# Altium PCB VM3300_V0.1.PcbDoc (part 2 of 2)
Units mil, origin at the board's own origin, x right, y up, seen from the top; angles counter-clockwise.
Board outline 5128.14 x 5521.84 mil, 2 copper layers (Top Layer, Bottom Layer), stack 61.855 mil thick; 144 components, 95 nets, 446 pads, 255 vias.
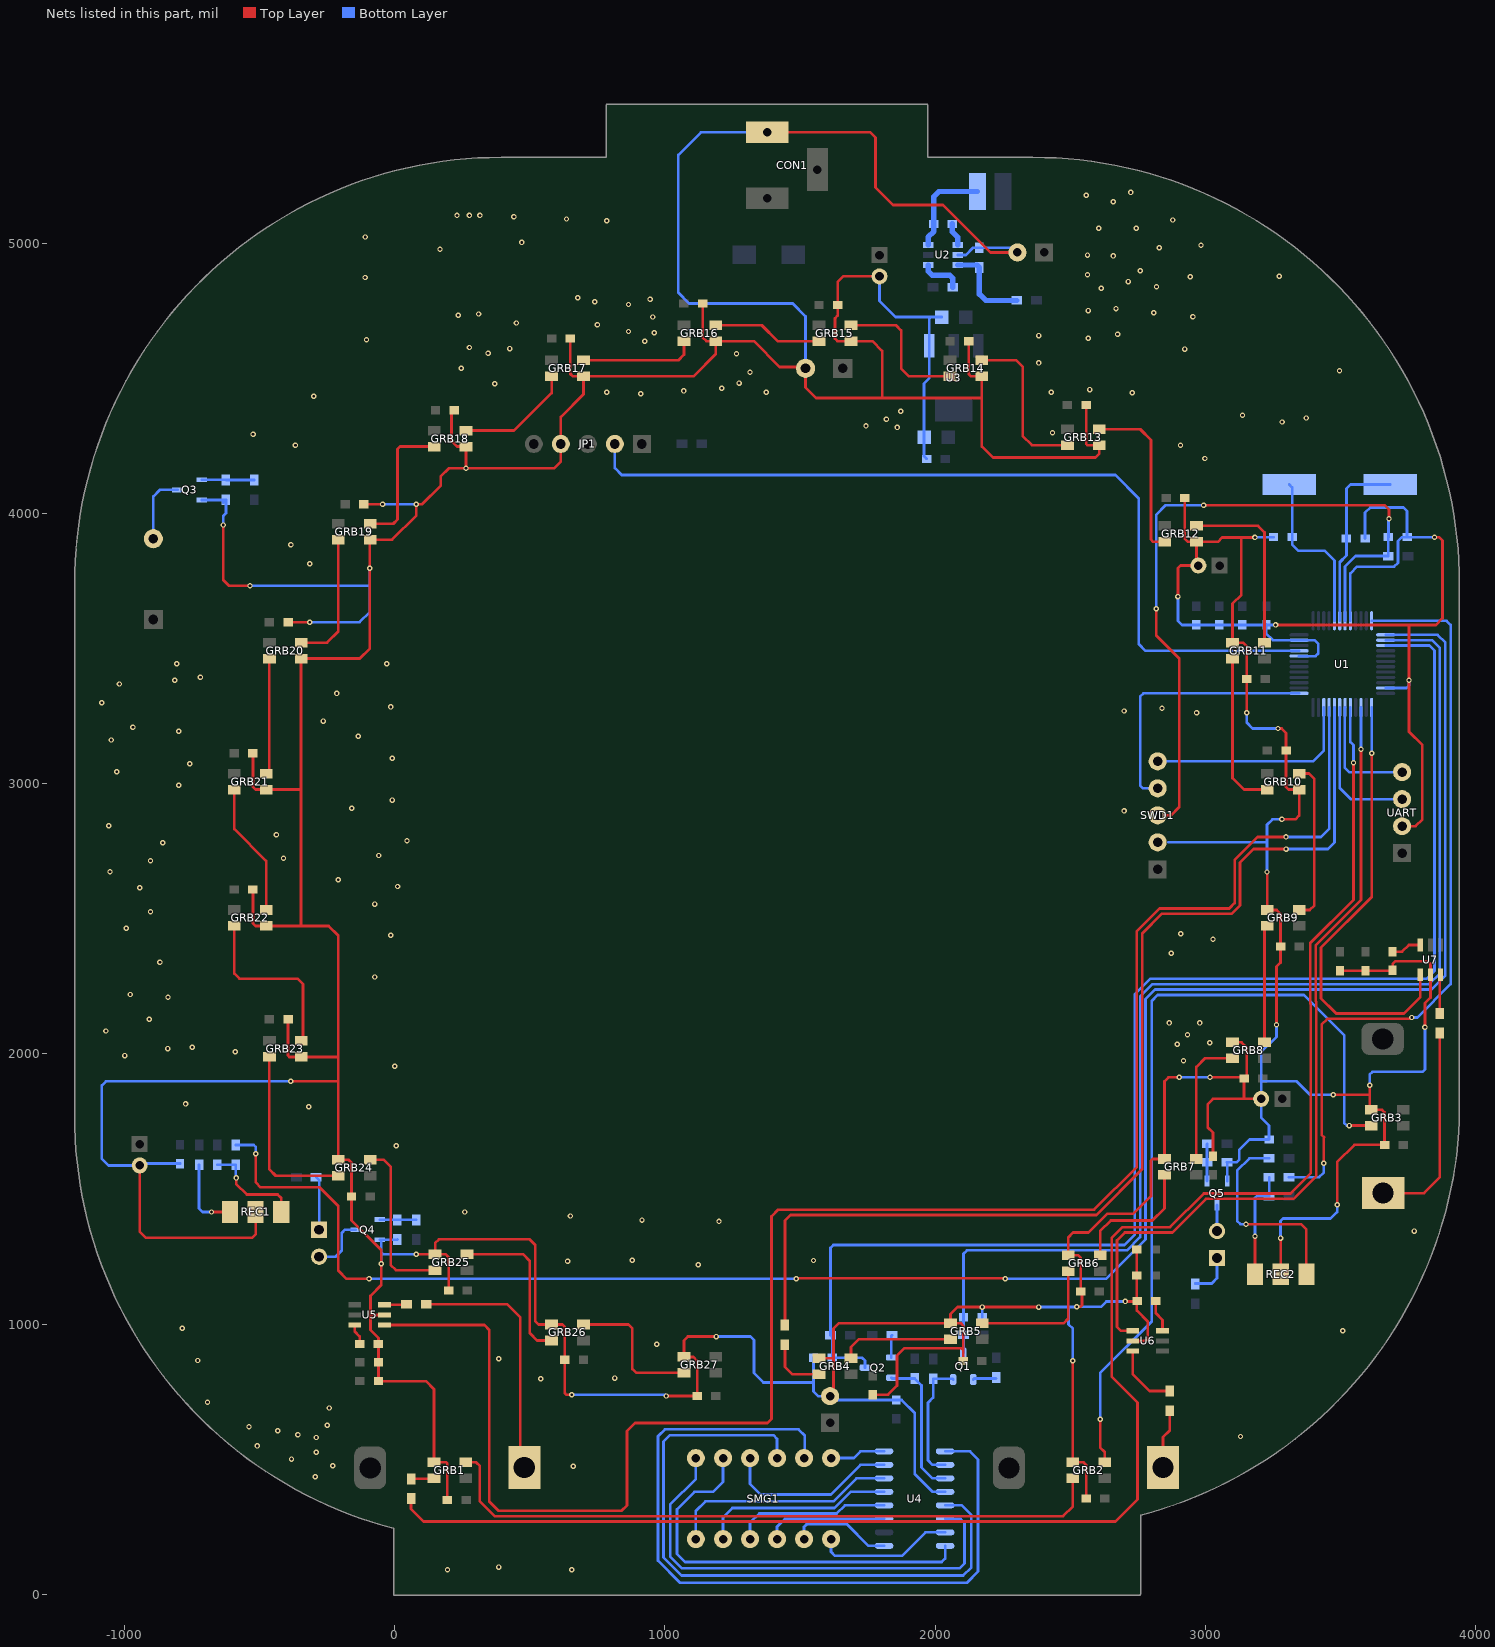
[diagram p2: the nets of this part, all layers, seen from the top]

## Via types
v1: diameter 20, hole 10, Top Layer to Bottom Layer, 175 vias
v2: diameter 20, hole 10, Top Layer to Bottom Layer, tented both sides, 58 vias
v3: diameter 50, hole 30, Top Layer to Bottom Layer, tented both sides, 12 vias
v4: diameter 50, hole 28, Top Layer to Bottom Layer, tented both sides, 10 vias

## Nets (pads, with @x,y where several pads share a name; then routed paths per layer and width w, separated by ;. In a path a pad name is that pad's centre, name@x,y a point inside that pad or via, vN(x,y) a via of type N, cw(c..) or ccw(c..) an arc to the next point about the centre after c; other vN are vias at no path point) (continued)
GND: C1.1 C2.1 C3.1 C5.1 C6.1 C7.1 C8.1 C9.1 C10.1 C11.1 C12.1 C13.1 C14.1 C15.1 C16.1 C17.1 C18.1 C19.1 C20.1 C21.1 C22.1 C23.1 C24.1 C25.1 C26.1 C27.1 C28.1 C30.1 C31.1 C32.1 C33.1 C34.1 C35.2 C36.2 C37.1 C38.1 C39.1 C40.1 C41.1 C42.1 C43.1 C44.1 C45.2 C46.2 C47.2 C48.1 C49.1 C50.1 C51.1 C52.1 C53.1 CON1.2 E1.2 E2.2 E3.2 E4.2 E5.2 E6.2 E7.2 GRB1.3 GRB2.3 GRB3.3 GRB4.3 GRB5.3 GRB6.3 GRB7.3 GRB8.3 GRB9.3 GRB10.3 GRB11.3 GRB12.3 GRB13.3 GRB14.3 GRB15.3 GRB16.3 GRB17.3 GRB18.3 GRB19.3 GRB20.3 GRB21.3 GRB22.3 GRB23.3 GRB24.3 GRB25.3 GRB26.3 GRB27.3 JP1.4 Q3.2 Q4.2 Q5.2 R4.1 R22.1 R23.1 R24.1 REC1.2 REC2.2 SWD1.2 U1.8 U1.23 U1.44 U1.47 U2.2 U3.1 U4.4 U5.2 U6.2 U7.2 UART.2 | length 37993
  Top Layer w10: E5.2@-945,1587.15 -945,1343 -921.22,1319.22 -528.5,1319.22 -515.56,1332.16 REC1.2@-515.56,1415 ; v2(-635.56,3958.7) -635.56,3754.65 -614.56,3733.65 v2(-536.31,3733.65) ; C39.1@-525.56,2608.65 -525.56,2483.65 -516.03,2474.12 GRB22.3@-476.51,2474.12 -347.45,2474.12 ; C38.1@-525.56,3113.65 -525.56,2989.12 -515.56,2979.12 GRB21.3@-476.51,2979.12 -347.45,2979.12 ; C40.1@-395.56,2128.65 -395.56,1994.12 -390.56,1989.12 GRB23.3@-346.51,1989.12 -209.62,1989.12 ; C37.1@-395.56,3598.65 v2(-315.2,3598.65) ; v2(-385.56,1898.65) -209.62,1898.65 ; -347.45,2473.18 -347.45,2474.12 ; C34.1@-115.56,4035.43 v2(-45.56,4035.45) ; U5.2@-38.03,1033.65 -90.56,1033.65 ; v2(79.44,1258.65) GRB25.3@148.97,1258.62 ; C1.1@194.44,348.65 194.44,483.65 189.91,488.18 GRB1.3@144.52,488.18 144.52,758.57 114.44,788.65 C48.1@-60.56,788.65 C49.1@-60.56,858.65 -60.56,948.65 -90.56,978.65 -90.56,1033.65 ; C42.1@199.44,1123.65 199.44,1247.01 187.83,1258.62 GRB25.3@148.97,1258.62 ; C33.1@219.44,4383.65 209.44,4373.65 209.44,4269.68 230,4249.12 GRB18.3@263.49,4249.12 v2(263.49,4168.65) ; C32.1@649.44,4648.65 649.44,4518.65 658.97,4509.12 GRB17.3@698.49,4509.12 ; v2(654.44,738.65) 634.44,738.65 629.44,743.65 C43.1@629.44,867.65 629.44,988.65 619.91,998.18 GRB26.3@580.38,998.18 531.92,998.18 519.44,1010.66 519.44,1293.65 499.44,1313.65 163.04,1313.65 148.97,1299.58 GRB25.3@148.97,1258.62 ; v2(1004.44,733.65) C44.1@1119.44,733.65 1119.44,863.65 1104.91,878.18 GRB27.3@1070.38,878.18 1070.44,878.23 1070.44,939.12 1084.97,953.65 v2(1189.44,953.65) ; C31.1@1139.44,4778.65 1139.44,4653.65 1153.97,4639.12 GRB16.3@1188.49,4639.12 ; CON1.2@1379.44,5412.74 1760.34,5412.74 1779.44,5393.65 1779.44,5208.65 1844.44,5143.65 2029.44,5143.65 2205.22,4967.86 E3.2@2305.22,4967.86 ; GRB4.3@1570.7,872.81 1623.59,872.81 1624.44,873.65 ; E4.2@1611.34,723.02 1624.44,736.11 1624.44,873.65 ; C10.1@1769.44,738.65 1826.24,738.65 1859.44,771.85 1859.44,883.65 1885.79,910 2098.08,910 2104.44,903.65 ; E1.2@1794.44,4879.28 1660.07,4879.28 1639.44,4858.65 C26.1@1639.44,4773.65 1639.44,4733.77 1629.44,4723.77 1629.44,4648.65 1638.97,4639.12 GRB15.3@1688.49,4639.12 1768.97,4639.12 1804.44,4603.65 1804.44,4428.65 ; C11.1@2104.44,863.65 2104.44,903.65 ; C25.1@2124.44,4639.12 2124.44,4518.65 2133.88,4509.2 GRB14.3@2173.49,4509.2 2173.49,4430.81 ; v2(2384.44,1062.76) v2(2174.44,1062.76) 2083.54,1062.76 2057.15,1036.36 GRB5.3@2057.15,1003.15 ; v2@2510.38,866.8 v2(2510.38,864.59) GRB2.3@2510.38,488.18 2549.91,488.18 2559.44,478.65 C2.1@2559.44,353.65 ; v2(2524.44,1063.65) 2539.44,1063.65 2544.44,1068.65 2544.44,1115.82 C12.1@2539.44,1120.82 2539.44,1245.75 2530.23,1254.95 GRB6.3@2493.28,1254.95 2493.28,1321.17 2510.76,1338.65 2568.08,1338.65 2638.08,1408.65 2734.44,1408.65 2799.44,1473.65 2799.44,1604.6 2805.89,1611.05 GRB7.3@2849.38,1611.05 2849.38,1898.59 2864.44,1913.65 v2(2904.44,1913.65) ; C24.1@2559.44,4402.25 2559.44,4259.13 2564.45,4254.12 GRB13.3@2608.49,4254.12 2608.49,4223.38 2593.76,4208.65 2214.44,4208.65 2173.49,4249.59 2173.49,4430.81 ; v2(2704.44,1083.79) 2745.56,1083.79 C46.2@2747.43,1085.66 ; U6.2@2732.32,937.34 2779.44,937.34 2787.43,945.34 2787.43,1010.34 2747.43,1050.34 C46.2@2747.43,1085.66 ; C51.1@2747.43,1275.34 C50.1@2747.43,1180.34 C46.2@2747.43,1085.66 ; C46.2@2748.43,1085.66 C46.2@2747.43,1085.66 ; v2(2899.44,3693.65) 2899.44,3798.65 2909.44,3808.65 E2.2@2975.07,3808.65 2968.49,3815.22 GRB12.3@2968.49,3896.3 ; C23.1@2924.44,4058.65 2924.44,3908.65 2936.78,3896.3 GRB12.3@2968.49,3896.3 ; v2(3018.34,1913.65) 3139.44,1913.65 C19.1@3144.44,1908.65 ; C13.1@3029.44,1620.98 3029.44,1708.65 3009.44,1728.65 3009.44,1813.65 3029.44,1833.65 3144.44,1833.65 ; GRB8.3@3101.72,2043.18 3134.91,2043.18 3154.44,2023.65 3154.44,1918.65 C19.1@3144.44,1908.65 ; v2(3154.44,3263.65) C22.1@3154.44,3388.65 3154.44,3508.65 3139.91,3523.18 GRB11.3@3101.72,3523.18 3101.72,3667.41 3134.44,3700.12 3134.44,3912.65 ; v2(3184.62,3912.65) 3134.44,3912.65 ; E6.2@3207.58,1833.65 3144.44,1833.65 ; v2(3229.44,2673.65) 3230.38,2672.7 GRB9.3@3230.38,2533.18 3264.91,2533.18 3279.44,2518.65 C20.1@3279.44,2398.65 3279.44,2338.18 3264.44,2323.18 v2(3264.44,2108.65) ; v2(3260.93,3588.65) 3755.08,3588.65 ; v2(3270,3205) 3283.55,3205 3299.91,3188.65 C21.1@3299.91,3123.65 3299.91,2988.18 3308.97,2979.12 GRB10.3@3348.49,2979.12 3348.49,2882.7 3334.44,2868.65 v2(3284.44,2868.65) ; v2(3279.44,1318.32) 3280,1317.76 REC2.2@3280,1185 ; v2(3474.44,1848.65) 3609.44,1848.65 ; v2(3489.17,1441.25) 3489.17,1599.51 3553.31,1663.65 C3.1@3664.44,1663.65 3664.44,1783.65 3654.91,1793.18 GRB3.3@3615.38,1793.18 3609.44,1799.12 3609.44,1848.65 ; C53.1@3499.44,2308.65 C52.1@3594.44,2308.65 3693.44,2308.65 C47.2@3694.44,2309.65 3694.44,2333.65 3704.44,2343.65 3824.44,2343.65 3834.44,2333.65 U7.2@3834.44,2293.53 3834.44,2208.65 3813.97,2188.18 v2(3813.97,2098.65) ; v2(3609.44,1883.65) 3609.44,1848.65 ; UART.2@3729.44,2843.65 3779.44,2843.65 3804.44,2868.65 3804.44,3143.65 3755.08,3193 v2(3755.08,3383.65) 3755.08,3588.65 ; v2(3849.44,3913.65) 3866.84,3913.65 3879.44,3901.05 3879.44,3613.65 3854.44,3588.65 3755.08,3588.65 ; -347.45,2474.12 -245.03,2474.12 -209.62,2438.7 -209.62,1989.12 ; -347.45,2474.12 -347.45,2979.12 ; -347.45,2979.12 -347.45,3463.17 GRB20.3@-346.51,3464.12 -130.09,3464.12 -92.72,3501.49 v2(-92.72,3798.65) -92.72,3902.91 GRB19.3@-91.51,3904.12 -10.09,3904.12 79.44,3993.65 v2(79.44,4035.45) 101.24,4035.45 169.44,4103.65 169.44,4138.65 199.44,4168.65 v2(263.49,4168.65) ; -209.62,1898.65 -209.62,1989.12 ; -209.62,1898.65 GRB24.3@-209.62,1608.18 -170.84,1608.18 -160.56,1597.9 C41.1@-160.56,1472.65 -160.56,1383.65 -50.56,1273.65 v2(-50.56,1223.65) -50.56,1144.55 -90.56,1104.55 -90.56,1033.65 ; v2(263.49,4168.65) 589.44,4168.65 614.44,4193.65 JP1.4@614.44,4258.65 614.44,4358.65 698.49,4442.7 GRB17.3@698.49,4509.12 ; GRB17.3@698.49,4509.12 1104.91,4509.12 1188.49,4592.7 GRB16.3@1188.49,4639.12 ; GRB16.3@1188.49,4639.12 1328.97,4639.12 1424.44,4543.65 1515.54,4543.65 E7.2@1520.54,4538.65 1520.54,4467.55 1559.44,4428.65 1804.44,4428.65 ; 1624.44,873.65 1624.44,983.18 1644.41,1003.15 GRB5.3@2057.15,1003.15 ; 1804.44,4428.65 2171.33,4428.65 2173.49,4430.81 ; GRB5.3@2057.15,1003.15 2095.31,1003.15 2104.44,994.02 2104.44,903.65 ; GRB12.3@2968.49,3896.3 3047.09,3896.3 3063.44,3912.65 3134.44,3912.65 ; 3144.44,1833.65 C19.1@3144.44,1908.65
  Bottom Layer w10: C35.2@-795,1594.28 -937.88,1594.28 E5.2@-945,1587.15 -1060.63,1587.15 -1085,1611.52 -1085,1883.65 -1070,1898.65 v2(-385.56,1898.65) ; Q3.2@-715.56,4051.25 R22.1@-626.46,4051.25 ; v2(-635.56,3958.7) -635.56,3992.59 -625.56,4002.59 R22.1@-625.56,4052.15 R22.1@-626.46,4051.25 ; R22.1@-635.56,4042.15 R22.1@-626.46,4051.25 ; v2(-536.31,3733.65) -92.72,3733.65 ; v2(-315.2,3598.65) -130.56,3598.65 -92.72,3636.49 -92.72,3733.65 ; v2(-92.72,3798.65) -92.72,3733.65 ; v2(-50.56,1223.65) -50.56,1265.23 ; v2(-45.56,4035.45) v2(79.44,4035.45) ; R23.1@9.44,1312.72 8.54,1311.82 Q4.2@-55.56,1311.82 -50.56,1306.82 -50.56,1265.23 ; v2(79.44,1258.65) -43.98,1258.65 -50.56,1265.23 ; v2(654.44,738.65) 999.44,738.65 v2(1004.44,733.65) ; v2(1189.44,953.65) 1316.99,953.65 1329.44,941.2 1329.44,818.65 1364.44,783.65 1548.66,783.65 1550,784.99 ; CON1.2@1379.44,5412.74 1132.74,5412.74 1049.44,5329.44 1049.44,4818.65 1089.44,4778.65 1473.15,4778.65 1520.54,4731.26 E7.2@1520.54,4538.65 ; C28.1@1550,875.15 1550,784.99 ; E1.2@1794.44,4879.28 1794.44,4788.65 1854.44,4728.65 1984.44,4728.65 ; C17.1@1969.44,4203.65 1959.44,4213.65 C16.1@1959.44,4283.65 1959.44,4482.67 1978.89,4502.12 U3.1@1978.89,4621.76 1978.89,4723.1 1984.44,4728.65 ; C15.1@2024.44,4728.65 1984.44,4728.65 ; U4.4@2037.53,378.65 1991.58,378.65 1925,445.22 1925,670 1876.35,718.65 C30.1@1856.34,718.65 1625.55,718.65 E4.2@1611.34,732.86 1567.14,732.86 1550,750 1550,784.99 ; U2.2@2084.56,4958.64 2114.43,4958.64 2140.94,4985.15 R4.1@2164.44,4985.15 2287.94,4985.15 E3.2@2305.22,4967.86 ; C27.1@2174.44,1025.02 v2(2174.44,1062.76) ; v2(2384.44,1062.76) 2494.44,1062.76 ; v2(2510.38,864.59) 2510.38,982.7 2494.44,998.65 2494.44,1062.76 ; v2(2704.44,1083.79) 2634.34,1083.79 2614.19,1063.65 v2(2524.44,1063.65) 2523.54,1062.76 2494.44,1062.76 ; 2864.44,2783.65 3229.44,2783.65 ; v2(2899.44,3693.65) 2899.44,3603.65 2914.44,3588.65 C8.1@2967.43,3588.65 C7.1@3052.43,3588.65 C6.1@3137.43,3588.65 3224.91,3588.65 3226.17,3589.91 3226.17,3556.91 3250.85,3532.23 U1.47@3348.08,3532.23 3405.62,3532.23 3419.44,3518.41 3419.44,3483.65 3408.96,3473.18 U1.44@3348.08,3473.18 ; v2(2904.44,1913.65) v2(3018.34,1913.65) ; Q5.2@3081.84,1529.79 3081.84,1597.75 R24.1@3080.94,1598.65 3115.54,1598.65 3126.94,1610.04 3126.94,1645.79 3164.79,1683.65 C36.2@3236.87,1683.65 3236.87,1735.26 3207.58,1764.55 E6.2@3207.58,1833.65 3207.58,1898.65 ; v2(3154.44,3263.65) 3154.44,3226.35 3175.79,3205 v2(3270,3205) ; v2(3184.62,3912.65) 3185.62,3913.65 C14.1@3253.36,3913.65 ; C5.1@3227.43,3588.65 v2(3260.93,3588.65) ; v2(3229.44,2673.65) 3229.44,2783.65 ; v2(3264.44,2108.65) 3264.44,2063.41 3207.58,2006.55 3207.58,1898.65 ; v2(3279.44,1318.32) 3279.44,1381.48 3288.64,1390.68 3464.65,1390.68 3489.17,1415.2 v2(3489.17,1441.25) ; v2(3284.44,2868.65) 3249.44,2868.65 3229.44,2848.65 3229.44,2783.65 ; v2(3474.44,1848.65) 3389.44,1848.65 3339.44,1898.65 3207.58,1898.65 ; U1.8@3537.96,3604 3537.96,3779.17 3563.07,3804.28 3700.07,3804.28 3714.44,3818.65 3714.44,3898.65 3729.44,3913.65 C9.1@3747.94,3913.65 ; C18.1@3592.44,3908.65 3592.44,4004.39 3611.7,4023.65 3734.44,4023.65 3747.94,4010.15 C9.1@3747.94,3913.65 ; v2(3609.44,1883.65) 3609.44,1923.65 3619.44,1933.65 3804.44,1933.65 3813.97,1943.18 v2(3813.97,2098.65) ; U1.23@3668.78,3355.07 3746,3355.07 3755.08,3364.14 v2(3755.08,3383.65) ; v2(3849.44,3913.65) C9.1@3747.94,3913.65
  other v1: 195,90 655,90 385,100 -295,435 660,473.65 -230,475 -382.96,500 -291.6,525 -510,548.65 -291.6,580 3131.05,583.65 -359,590 -434.18,605 -540,620 -250,625 -243.32,688.98 -693.64,710 540,797.15 814.44,799.97 -730,865 385,871.65 970,925 3510,975 -787.4,984.25 1122.94,1219.09 639.43,1232.21 879.44,1236.05 1550,1235.42 3774.36,1344.22 1200,1380 915,1385 650,1400 258.65,1415 5,1660 -318.56,1805 -775,1815 0,1955 2920,1975 -1000,1994.12 -590.64,2008.65 -841.54,2020 -750,2025 2897.43,2035.77 3016.88,2041.61 2935,2071.13 -1070,2085 2867.48,2115 2980,2115 -910,2128.65 -840,2210 -980,2220 -75,2285 -870,2340 2875,2372.65 3029.42,2425 -15.56,2440 2910,2445 -995,2465 -905,2526.76 -75,2555 -945,2615 10,2620 -210,2645 -1055,2675 -905,2715 -412.56,2725 -60,2735 -860,2781.65 45,2790 -438.56,2811.65 -1060,2845 2700,2900 -160,2910 -10,2940 -800,2994.65 -1030,3045 -759.56,3075 -10,3095 -1050,3162.65 -135.56,3176.65 -800,3195 -970,3210 -265,3232.65 2968.49,3263.65 2700,3270 2840.55,3280 -15,3285 -1085,3300 -215,3335 -1020,3370 -814.56,3383.65 -720,3395 -807.56,3445 -30,3445 -315,3815 -385,3885 2999.44,4205 -368.16,4254.12 2909.12,4253.65 -525,4294.4 2435,4300 1860,4320 1744.44,4325.46 3285,4340 1820,4350 3375,4355 3138.43,4365 1873.18,4380 -300,4435 910,4445 2730,4448.53 785,4450 1375,4450 2430,4450 1070,4455 2573.46,4460 1210,4465 370,4481.17 1274.44,4484.1 1315,4523.73 3497.79,4530 245.66,4538.65 2384.44,4558.77 1265,4592.7 345,4595 2925,4610 425,4611.86 276.02,4615.89 925,4638.65 -105,4645 2567.19,4650 2384.44,4660 2676.01,4664.47 960,4670 865,4675 750,4700.62 450,4706.52 955,4728.65 2955,4730 235,4735 310,4740 2810,4745 2567.19,4752.66 2670,4760 865,4775 740,4785 945,4795 676.84,4800 2615,4835 2820,4840.86 2715,4860 -110.33,4875 2945,4877.36 3275,4879.28 2564.45,4885.31 2760,4900 2660,4955 2564.45,4958.02 167.04,4980 2830,4985 2985,4995 470,5005 -110,5025 2606.4,5057.65 2745,5057.65 785,5085 2880,5087.86 635.44,5091.8 440.82,5100 230,5105 276.02,5105 315,5105 2660,5155 2560,5180 2725,5190
GRID1: SMG1.12 U4.6 | length 1747.8
  Bottom Layer w10: SMG1.12@1114.44,503.65 1114.44,426.9 1019.44,331.9 1019.44,138.65 1062.53,95.55 2091.34,95.55 2109.44,113.65 2109.44,263.65 2094.44,278.65 U4.6@2037.53,278.65
GRID2: SMG1.9 U4.5 | length 2423.4
  Bottom Layer w10: SMG1.9@1415.22,503.65 1415.22,574.78 1401.35,588.65 1018.31,588.65 994.44,564.78 994.44,135.36 1061.15,68.65 2104.44,68.65 2134.44,98.65 2134.44,293.65 2099.44,328.65 U4.5@2037.53,328.65
GRID3: SMG1.8 U4.1 | length 2894.1
  Bottom Layer w10: SMG1.8@1515.22,503.65 1517.74,506.17 1517.74,587.26 1495,610 1000,610 974.44,584.44 974.44,123.65 1056.01,42.08 2117.87,42.08 2159.44,83.65 2159.44,498.65 2129.44,528.65 U4.1@2037.53,528.65
GRID4: SMG1.6 U4.7 | length 511.4
  Bottom Layer w10: SMG1.6@1615.22,203.65 1615.22,156.85 1630.33,141.74 1877.53,141.74 1964.44,228.65 U4.7@2037.53,228.65
IR1: R15.2 U1.13 | length 7355.1
  Top Layer w10: v2(-515,1630) -515,1524.44 -496.93,1506.36 -278.28,1506.36 -209.62,1437.7 -209.62,1197.7 -179.12,1167.2 v2(-95.56,1167.2) ; v2(1485.88,1167.2) 1488.67,1170 2257.2,1170 v2(2260,1167.2)
  Bottom Layer w10: R15.2@-588.71,1663.02 -523.02,1663.02 -515,1655 v2(-515,1630) ; v2(-95.56,1167.2) v2(1485.88,1167.2) ; v2(2260,1167.2) 2632.85,1167.2 2779.44,1313.79 2779.44,2203.79 2814.29,2238.65 3837.72,2238.65 3889.44,2290.36 3889.44,3488.65 3889.44,3523.65 3861.17,3551.92 U1.13@3668.78,3551.92
IR2: R16.2 U1.12 | length 2856.8
  Top Layer w10: v2(3438.98,1595) 3438.98,1690.74 3440,1691.77 3431.77,1700 3431.77,2108.52 3453.24,2130 3760,2130 v2(3765,2135)
  Bottom Layer w10: R16.2@3310.23,1543.65 3422.62,1543.65 3438.98,1560 v2(3438.98,1595) ; U1.12@3616.7,3604 3617.05,3603.65 3894.44,3603.65 3909.44,3588.65 3909.44,2258.65 3785.79,2135 v2(3765,2135)
NetB1_2: B1.2 Q3.3 | length 256.3
  Bottom Layer w10: B1.2@-894.24,3907.83 -894.24,4064.97 -870.56,4088.65 Q3.3@-804.85,4088.65
NetC4_1: C4.1 U2.1 | length 85.9
  Bottom Layer w20: C4.1@2064.44,5073.65 2064.44,5043.77 2084.56,5023.65 U2.1@2084.56,4996.04
NetC4_2: C4.2 L1.1 U2.6 | length 357
  Bottom Layer w20: U2.6@1974.31,4996.04 1974.31,5025 1995.44,5046.12 C4.2@1995.44,5073.65 1995.44,5174.65 2014.44,5193.65 L1.1@2157.19,5193.65
NetC45_1: C45.1 U5.6 | length 78.1
  Top Layer w10: U5.6@-148.27,996.25 -148.27,971.35 -130.56,953.65 C45.1@-130.56,925.5
NetC46_1: C46.1 U6.6 | length 121.3
  Top Layer w10: C46.1@2817.43,1085.66 2817.43,1040.34 2842.55,1015.22 U6.6@2842.55,974.74
NetC47_1: C47.1 U7.6 | length 113
  Top Layer w10: C47.1@3694.44,2378.65 3729.44,2378.65 3754.55,2403.77 U7.6@3797.03,2403.77
NetD1_1: D1.1 R13.2 | length 199
  Bottom Layer w10: R13.2@-291.6,1543.65 -280.56,1532.61 D1.1@-280.56,1349.22
NetD1_2: D1.2 Q4.3 | length 215.4
  Bottom Layer w10: D1.2@-280.56,1249.22 -219.61,1249.22 -196.71,1272.13 -196.71,1337.52 -185,1349.22 Q4.3@-144.85,1349.22
NetD2_1: D2.1 R14.2 | length 163.4
  Bottom Layer w10: R14.2@2963.52,1150.15 3024.65,1150.15 3044.44,1169.93 D2.1@3044.44,1244.22
NetD2_2: D2.2 Q5.3 | length 96.3
  Bottom Layer w10: D2.2@3044.44,1344.22 Q5.3@3044.44,1440.5
NetGRB1_4: GRB1.4 R28.1 | length 85.5
  Top Layer w10: R28.1@60,426.67 142.07,426.67 GRB1.4@144.52,429.12
NetGRB4_4: GRB4.4 R29.1 | length 219.9
  Top Layer w10: R29.1@1444.44,923.5 1444.44,841.34 1472.03,813.75 GRB4.4@1570.7,813.75
NetQ1_1: Q1.1 R5.1 | length 85.6
  Bottom Layer w10: Q1.1@2141.84,794.59 2145.62,798.38 R5.1@2225.91,798.38
NetQ2_1: Q2.1 R6.1 | length 83.6
  Bottom Layer w10: Q2.1@1838.49,876.05 1838.49,956.2 R6.1@1840.94,958.65
NetQ3_1: Q3.1 R19.2 R22.2 | length 195.4
  Bottom Layer w10: Q3.1@-715.56,4126.05 -626.46,4126.05 R22.2@-625.56,4125.15 R19.2@-520.56,4125.15
NetQ4_1: Q4.1 R20.2 R23.2 | length 135.4
  Bottom Layer w10: Q4.1@-55.56,1386.62 -54.66,1385.72 R23.2@9.44,1385.72 R20.2@79.44,1385.72
NetQ5_1: Q5.1 R21.2 R24.2 | length 137.4
  Bottom Layer w10: Q5.1@3007.04,1529.79 3007.04,1665.88 R21.2@3007.94,1666.78
NetR2_1: R2.1 R4.2 U2.3 | length 330.4
  Bottom Layer w20: U2.3@2084.56,4921.25 2155.34,4921.25 R4.2@2164.44,4912.15 2164.44,4813.65 2188.07,4790.01 R2.1@2302.94,4790.01
NetR3_2: R3.2 U2.4 | length 158.6
  Bottom Layer w20: U2.4@1974.31,4921.25 1974.31,4898.77 1989.44,4883.65 2054.44,4883.65 2065.94,4872.15 R3.2@2065.94,4838.65
NetR11_1: R11.1 R15.1 REC1.1 | length 380.2
  Top Layer w10: v2(-587.69,1540.98) -587.69,1518.76 -548.36,1479.44 -434.18,1479.44 -420.56,1465.82 REC1.1@-420.56,1415
  Bottom Layer w10: R11.1@-657.38,1590.02 R15.1@-588.71,1590.02 -588.71,1542 v2(-587.69,1540.98)
NetR12_1: R12.1 R16.1 REC2.1 | length 407
  Top Layer w10: REC2.1@3185,1185 v2(3185,1325)
  Bottom Layer w10: v2(3185,1325) 3185,1467.08 3191.56,1473.65 R12.1@3237.23,1473.65 R16.1@3237.23,1543.65
NetR17_1: R17.1 REC1.3 | length 281.9
  Top Layer w10: v2(-678.93,1415) REC1.3@-610.56,1415
  Bottom Layer w10: R17.1@-725,1590.02 -725,1427.88 -712.12,1415 v2(-678.93,1415)
NetR18_1: R18.1 REC2.3 | length 758.2
  Top Layer w10: v2(3151.38,1370) 3354.44,1370 3375,1349.44 REC2.3@3375,1185
  Bottom Layer w10: v2(3151.38,1370) 3130.62,1370 3118.57,1382.05 3118.57,1568.54 3163.67,1613.63 R18.1@3237.23,1613.63
NetR25_1: R25.1 T1.1 | length 930.3
  Top Layer w10: R25.1@115.94,1073.65 414.44,1073.65 464.44,1023.65 464.44,483.74 T1.1@479.44,468.74
NetR25_2: R25.2 U5.3 | length 82
  Top Layer w10: U5.3@-38.03,1071.05 40.34,1071.05 R25.2@42.94,1073.65
NetR26_1: R26.1 T2.1 | length 220.5
  Top Layer w10: T2.1@2844.44,468.74 2844.44,581.69 2869.44,606.69 R26.1@2869.44,678.85
NetR26_2: R26.2 U6.3 | length 249
  Top Layer w10: U6.3@2732.32,899.94 2732.32,813.69 2794.15,751.85 R26.2@2869.44,751.85
NetR27_1: R27.1 T3.1 | length 768.3
  Top Layer w10: T3.1@3658.99,1484.79 3810.58,1484.79 3869.44,1543.65 R27.1@3869.44,2077.15
NetR27_2: R27.2 U7.3 | length 144.4
  Top Layer w10: R27.2@3869.44,2150.15 3869.44,2291.13 U7.3@3871.84,2293.53
NRST: C9.2 R1.1 SWD1.3 U1.7 | length 2644.8
  Top Layer w10: v2(2819.44,3648.65) 2819.44,3548.65 2904.44,3463.65 2904.44,2913.65 2874.44,2883.65 SWD1.3@2824.44,2883.65 ; v2(2994.44,4032.06) 3664.65,4032.06 3681.1,4015.62 v2(3681.1,3981.99)
  Bottom Layer w10: v2(2819.44,3648.65) 2819.44,3997.06 2854.44,4032.06 v2(2994.44,4032.06) ; U1.7@3518.27,3604 3518.27,3804.28 3557.64,3843.65 R1.1@3677.94,3843.65 3677.94,3912.65 C9.2@3678.94,3913.65 3678.94,3981.99 v2(3681.1,3981.99)
O1: GRB1.2 GRB2.4 | length 2526
  Top Layer w10: GRB1.2@262.63,488.18 299.91,488.18 314.44,473.65 314.44,343.65 369.44,288.65 2474.44,288.65 2510.38,324.59 GRB2.4@2510.38,429.12
O2: GRB2.2 GRB3.4 | length 3007.3
  Top Layer w10: v2(2611.72,647.78) 2611.72,543.61 2628.49,526.84 GRB2.2@2628.49,488.18 ; v2(3533.65,1734.9) 3614.59,1734.9 GRB3.4@3615.38,1734.12
  Bottom Layer w10: v2(2611.72,647.78) 2611.72,818.66 2802.43,1009.37 2802.43,2196.64 2824.44,2218.65 3365.9,2218.65 3515,2069.54 3515,1745 3525.1,1734.9 v2(3533.65,1734.9)
O3: GRB4.2 GRB5.4 | length 422.5
  Top Layer w10: GRB4.2@1688.81,872.81 1688.81,914.87 1718.03,944.09 GRB5.4@2057.15,944.09
O4: GRB5.2 GRB6.4 | length 501.2
  Top Layer w10: GRB5.2@2175.26,1003.15 2476.92,1003.15 2493.28,1019.5 GRB6.4@2493.28,1195.89
O5: GRB6.2 GRB7.4 | length 485.4
  Top Layer w10: GRB6.2@2611.39,1254.95 2611.39,1343.93 2651.11,1383.65 2804.44,1383.65 2849.38,1428.59 GRB7.4@2849.38,1551.99
O6: GRB7.2 GRB8.4 | length 488.3
  Top Layer w10: GRB7.2@2967.49,1611.05 2967.49,1951.7 2999.91,1984.12 GRB8.4@3101.72,1984.12
O7: GRB8.2 GRB9.4 | length 435.3
  Top Layer w10: GRB8.2@3219.83,2043.18 3219.83,2463.57 GRB9.4@3230.38,2474.12
O8: GRB9.2 GRB10.4 | length 595.4
  Top Layer w10: GRB9.2@3348.49,2533.18 3387.25,2533.18 3404.44,2550.36 3404.44,3018.65 3384.91,3038.18 GRB10.4@3348.49,3038.18
O9: GRB10.2 GRB11.4 | length 588.9
  Top Layer w10: GRB11.4@3101.72,3464.12 3101.72,3021.36 3143.97,2979.12 GRB10.2@3230.38,2979.12
O10: GRB11.2 GRB12.4 | length 669.7
  Top Layer w10: GRB12.4@2968.49,3955.36 3196.15,3955.36 3219.83,3931.67 GRB11.2@3219.83,3523.18
O11: GRB12.2 GRB13.4 | length 630.7
  Top Layer w10: GRB13.4@2608.49,4313.18 2759.91,4313.18 2799.44,4273.65 2799.44,3904.6 2807.73,3896.3 GRB12.2@2850.38,3896.3
O12: GRB13.2 GRB14.4 | length 597.2
  Top Layer w10: GRB14.4@2173.49,4568.26 2301.21,4568.26 2324.44,4545.04 2324.44,4288.65 2358.97,4254.12 GRB13.2@2490.38,4254.12
O13: GRB14.2 GRB15.4 | length 527.2
  Top Layer w10: GRB15.4@1688.49,4698.18 1854.91,4698.18 1874.44,4678.65 1874.44,4538.65 1903.88,4509.2 GRB14.2@2055.38,4509.2
O14: GRB15.2 GRB16.4 | length 406.4
  Top Layer w10: GRB16.4@1188.49,4698.18 1358.42,4698.18 1417.48,4639.12 GRB15.2@1570.38,4639.12
O15: GRB16.2 GRB17.4 | length 430.5
  Top Layer w10: GRB17.4@698.49,4568.18 1049.35,4568.18 1070.38,4589.21 GRB16.2@1070.38,4639.12
O16: GRB17.2 GRB18.4 | length 436.1
  Top Layer w10: GRB18.4@263.49,4308.18 440.82,4308.18 580.38,4447.74 GRB17.2@580.38,4509.12
O17: GRB18.2 GRB19.4 | length 508
  Top Layer w10: GRB19.4@-91.51,3963.18 -6.03,3963.18 9.44,3978.65 9.44,4239.29 19.26,4249.12 GRB18.2@145.38,4249.12
O18: GRB19.2 GRB20.4 | length 493.6
  Top Layer w10: GRB20.4@-346.51,3523.18 -251.03,3523.18 -209.62,3564.59 GRB19.2@-209.62,3904.12
O19: GRB20.2 GRB21.4 | length 430.9
  Top Layer w10: GRB21.4@-476.51,3038.18 -464.62,3050.07 GRB20.2@-464.62,3464.12
O20: GRB21.2 GRB22.4 | length 494.9
  Top Layer w10: GRB21.2@-594.62,2979.12 -594.62,2832.7 -476.51,2714.59 GRB22.4@-476.51,2533.18
O21: GRB22.2 GRB23.4 | length 659.6
  Top Layer w10: GRB22.2@-594.62,2474.12 -594.62,2297.7 -575.56,2278.65 -360.56,2278.65 -340.56,2258.65 -340.56,2054.12 GRB23.4@-346.51,2048.18
O22: GRB23.2 GRB24.4 | length 681.2
  Top Layer w10: GRB23.2@-464.62,1989.12 -464.62,1572.7 -441.03,1549.12 GRB24.4@-209.62,1549.12
O23: GRB24.2 GRB25.4 | length 623.1
  Top Layer w10: GRB24.2@-91.51,1608.18 -40.84,1608.18 -15.56,1582.9 -15.56,1218.65 3.52,1199.56 GRB25.4@148.97,1199.56
O24: GRB25.2 GRB26.4 | length 602.2
  Top Layer w10: GRB25.2@267.08,1258.62 474.46,1258.62 499.44,1233.65 499.44,966.35 526.67,939.12 GRB26.4@580.38,939.12
O25: GRB26.2 GRB27.4 | length 533.9
  Top Layer w10: GRB26.2@698.49,998.18 864.91,998.18 879.44,983.65 879.44,833.65 893.97,819.12 GRB27.4@1070.38,819.12
OSC_IN: C14.2 U1.5 Y1.2 | length 631
  Bottom Layer w10: Y1.2@3311.58,4108.65 3322.36,4097.87 C14.2@3322.36,3913.65 3322.36,3885.72 3344.44,3863.65 3441.77,3863.65 3478.9,3826.51 U1.5@3478.9,3604
OSC_OUT: C18.2 U1.6 Y1.1 | length 668.3
  Bottom Layer w10: U1.6@3498.59,3604 3498.59,3820.66 3523.44,3845.51 C18.2@3523.44,3908.65 3523.44,4093.65 3538.44,4108.65 Y1.1@3685.6,4108.65
OUT1: U1.33 U5.1 | length 6860.7
  Top Layer w10: U5.1@-38.03,996.25 331.84,996.25 349.44,978.65 349.44,343.65 384.44,308.65 839.44,308.65 859.44,328.65 859.44,603.65 889.44,633.65 1379.44,633.65 1394.44,648.65 1394.44,1398.65 1419.44,1423.65 2589.44,1423.65 2747.43,1581.64 2747.43,2454.93 2831.15,2538.65 3089.44,2538.65 3109.44,2558.65 3109.44,2718.65 3194.44,2803.65 v2(3299.44,2803.65) v2@3304.44,2803.65
  Bottom Layer w10: v2(3299.44,2803.65) 3429.53,2803.65 3459.44,2833.55 3459.44,3283.08 U1.33@3459.22,3283.29
OUT2: U1.27 U6.1 | length 3026.8
  Top Layer w10: U6.1@2732.32,974.74 2688.34,974.74 2674.11,988.97 2674.11,1310.04 2702.72,1338.65 2878.65,1338.65 3003.65,1463.65 3326.72,1463.65 3411.77,1548.69 3411.77,2193.2 3409.44,2195.53 3409.44,2401.93 3577.33,2569.82 v2(3577.33,3128.65)
  Bottom Layer w10: v2(3577.33,3128.65) U1.27@3577.33,3283.29
OUT3: U1.25 U7.1 | length 1653.8
  Top Layer w10: v2(3617.05,3113.65) 3617.05,2581.26 3429.44,2393.65 3429.44,2205.64 3480.08,2155 3480.31,2155 3485.31,2150 3735.79,2150 3797.03,2211.25 U7.1@3797.03,2293.53
  Bottom Layer w10: U1.25@3616.7,3283.29 3617.05,3282.94 v2(3617.05,3113.65)
PWM: JP1.2 U1.45 | length 3218.6
  Bottom Layer w10: JP1.2@814.44,4258.65 814.44,4169.29 840.08,4143.65 2667.72,4143.65 2754.44,4056.93 2754.44,3518.41 2779.99,3492.86 U1.45@3348.08,3492.86
RGB: R28.2 U1.29 | length 6423.5
  Top Layer w10: R28.2@60,353.67 60,315 106.35,268.65 250,268.65 2668.65,268.65 2750.08,350.08 2750.08,709.57 2654.11,805.54 2654.11,1318.32 2694.44,1358.65 2870.36,1358.65 2995.36,1483.65 3316.78,1483.65 3387.31,1554.18 3391.77,1558.63 3391.77,2184.92 3389.44,2187.25 3389.44,2410.22 3549.44,2570.22 v2(3549.44,3078.65)
  Bottom Layer w10: U1.29@3537.96,3283.29 3537.96,3155.13 3549.44,3143.65 v2(3549.44,3078.65)
RGB1: R29.2 U1.32 | length 4105.9
  Top Layer w10: R29.2@1444.44,996.5 1444.44,1383.08 1465,1403.65 2597.72,1403.65 2767.43,1573.36 2767.43,2446.64 2839.44,2518.65 3097.72,2518.65 3129.44,2550.36 3129.44,2708.65 3179.44,2758.65 v2(3299.91,2758.65)
  Bottom Layer w10: v2(3299.91,2758.65) 3454.44,2758.65 3479.44,2783.65 3479.44,3282.76 U1.32@3478.9,3283.29
RX: U1.31 UART.3 | length 546.6
  Bottom Layer w10: U1.31@3498.59,3283.29 3498.59,2984.5 3539.44,2943.65 UART.3@3729.44,2943.65
S_SCL: Q1.2 R8.1 U4.2 | length 454.6
  Bottom Layer w10: U4.2@2037.53,478.65 1991.35,478.65 1974.31,495.69 1974.31,708.52 1992.94,727.15 R8.1@1992.94,797.15 2064.48,797.15 Q1.2@2067.04,794.59
S_SDA: Q2.2 R10.1 U4.3 | length 531.2
  Bottom Layer w10: Q2.2@1838.49,801.25 1841.09,798.65 R10.1@1924.44,798.65 1950,773.08 1950,469.44 1990.79,428.65 U4.3@2037.53,428.65
SCL: C27.2 Q1.3 R7.1 U1.14 | length 4500.9
  Bottom Layer w10: Q1.3@2104.44,892.7 2105.34,893.6 R7.1@2105.34,961.16 2105.44,961.26 C27.2@2105.44,1025.02 2105.44,1260.22 2117.94,1272.72 2710.08,1272.72 2759.44,1322.08 2759.44,2212.08 2806.01,2258.65 3829.44,2258.65 3869.44,2298.65 3869.44,3488.65 3869.44,3503.65 3840.85,3532.23 U1.14@3668.78,3532.23
SDA: C28.2 Q2.3 R9.1 U1.15 | length 5118.7
  Bottom Layer w10: Q2.3@1740.38,838.65 1740.38,864.62 1729.85,875.15 C28.2@1619,875.15 1619,952.58 R9.1@1612.94,958.65 1612.94,1282.15 1623.51,1292.72 2701.8,1292.72 2739.44,1330.36 2739.44,2220.36 2797.72,2278.65 3821.15,2278.65 3849.44,2306.93 3849.44,3478.65 3849.44,3493.65 3830.54,3512.55 U1.15@3668.78,3512.55
SEG1: SMG1.11 U4.8 | length 1524.1
  Bottom Layer w10: SMG1.11@1215.22,503.65 1215.22,415.22 1178.65,378.65 1109.44,378.65 1044.44,313.65 1044.44,148.65 1074.44,118.65 1965.62,118.65 2024.44,118.65 2037.53,131.74 U4.8@2037.53,178.65
SEG2: SMG1.7 U4.16 | length 206.5
  Bottom Layer w10: SMG1.7@1615.22,503.65 1699.44,503.65 1724.44,528.65 U4.16@1811.35,528.65
SEG3: SMG1.4 U4.11 | length 454
  Bottom Layer w10: SMG1.4@1415.22,203.65 1415.22,249.43 1444.44,278.65 U4.11@1811.35,278.65
SEG4: SMG1.2 U4.13 | length 715.9
  Bottom Layer w10: SMG1.2@1215.22,203.65 1215.22,284.43 1249.44,318.65 1627.72,318.65 1687.72,378.65 U4.13@1811.35,378.65
SEG5: SMG1.1 U4.14 | length 851.6
  Bottom Layer w10: SMG1.1@1114.44,203.65 1114.44,308.65 1149.44,343.65 1624.44,343.65 1709.44,428.65 U4.14@1811.35,428.65
SEG6: SMG1.10 U4.15 | length 653.7
  Bottom Layer w10: SMG1.10@1315.22,503.65 1315.22,407.86 1354.44,368.65 1614.44,368.65 1724.44,478.65 U4.15@1811.35,478.65
SEG7: SMG1.5 U4.9 | length 378.5
  Bottom Layer w10: SMG1.5@1515.22,203.65 1515.22,248.87 1525,258.65 1674.44,258.65 1754.44,178.65 U4.9@1811.35,178.65
SEG8: SMG1.3 U4.12 | length 583.5
  Bottom Layer w10: SMG1.3@1315.22,203.65 1315.22,264.43 1349.44,298.65 1636.01,298.65 1666.01,328.65 U4.12@1811.35,328.65
SWCLK: SWD1.4 U1.37 | length 992.6
  Bottom Layer w10: SWD1.4@2824.44,2983.65 2769.44,2983.65 2759.44,2993.65 2759.44,3323.65 2771.17,3335.38 U1.37@3348.08,3335.38
SWDIO: SWD1.5 U1.34 | length 791.5
  Bottom Layer w10: SWD1.5@2824.44,3083.65 3399.85,3083.65 3439.53,3123.33 U1.34@3439.53,3283.29
TX: U1.30 UART.4 | length 442.6
  Bottom Layer w10: U1.30@3518.27,3283.29 3517.44,3282.46 3517.44,3059.65 3533.44,3043.65 UART.4@3729.44,3043.65
pads on no net: CON1.3 GRB3.2 GRB27.2 T1.2 T2.2 T3.2 U1.2 U1.3 U1.4 U1.10 U1.11 U1.18 U1.19 U1.20 U1.21 U1.22 U1.26 U1.28 U1.35 U1.36 U1.40 U1.41 U1.42 U1.43 U5.4 U6.4 U7.4

## Polygon pours and split planes (outlines as drawn)
GND on Top Layer "Top Layer-No Net" (solid, remove dead copper, pour order 0): -5.01,242.98 cw(c393.7,1771.65) -1186.12,1771.65 -1186.12,3740.16 cw(c393.7,3740.16) 393.7,5319.98 cw(c393.7,5314.96) 393.73,5319.98 782.39,5319.98 782.39,5511.81 cw(c787.4,5511.81) 787.4,5516.83 1968.5,5516.83 cw(c1968.5,5511.81) 1973.52,5511.81 1973.52,5319.98 2362.2,5319.98 cw(c2362.2,3740.16) 3942.02,3740.16 3942.02,1753.65 cw(c3937.01,1753.65) 3942.02,1753.43 cw(c2363.67,1821.59) 2760.92,292.53 2760.92,0 cw(c2755.91,0) 2755.91,-5.02 0,-5.02 cw(c0,0) -5.01,0
GND on Bottom Layer "Top Layer-No Net1" (solid, remove dead copper, pour order 1): -5.01,242.98 cw(c393.7,1771.65) -1186.12,1771.65 -1186.12,3740.16 cw(c393.7,3740.16) 393.7,5319.98 cw(c393.7,5314.96) 393.73,5319.98 782.39,5319.98 782.39,5511.81 cw(c787.4,5511.81) 787.4,5516.83 1968.5,5516.83 cw(c1968.5,5511.81) 1973.52,5511.81 1973.52,5319.98 2362.2,5319.98 cw(c2362.2,3740.16) 3942.02,3740.16 3942.02,1753.65 cw(c3937.01,1753.65) 3942.02,1753.43 cw(c2363.67,1821.59) 2760.92,292.53 2760.92,0 cw(c2755.91,0) 2755.91,-5.02 0,-5.02 cw(c0,0) -5.01,0

## Other copper
Top Layer:
  pour cut-out: 3194.44,4218.65 3804.44,4218.65 3804.44,3758.65 3799.44,3753.65 3196.15,3753.65
Bottom Layer:
  pour cut-out: 3840.85,3748.65
  pour cut-out: 3804.44,4218.65 3804.44,3768.65 3814.44,3758.65 3809.44,3753.65 3197.08,3753.65 3197.08,4216 3194.44,4218.65

## Silkscreen, mask and mechanical layers (free items; w line width, h text height)
Bottom Overlay:
  drawing of 2014 lines, arcs and shapes, not listed
  text "V" at 489.44,4068.02 h60
  text "G" at 584.44,4068.02 h60
  text "C" at 689.44,4068.02 h60
  text "P" at 794.44,4068.02 h60
  text "F" at 884.44,4068.02 h60
  text "D" at 3023.77,3093.65 h60 r90
  text "T" at 3533.81,3065.1 h60 r270
  text "C" at 3024.44,3003.65 h60 r90
  text "R" at 3533.81,2938.65 h60 r270
  text "RST" at 3024.44,2923.65 h60 r90
  text "G" at 3534.44,2826.65 h60 r270
  text "G" at 3024.44,2793.65 h60 r90
  text "V" at 3533.81,2758.65 h60 r270
  text "V" at 3023.77,2664.55 h60 r90
  text "240229" at -268.56,2523.65 h200
  text "VM3300_V0.4" at 4.44,2273.65 h200
Mechanical 1:
  circle w10: c3248.03,885.83 r196.85
  circle w10: c3543.31,4330.71 r108.27
  circle w10: c3248.03,4625.98 r196.85
  circle w10: c3543.31,1181.1 r108.27
  circle w10: c-787.4,1181.1 r108.27
  circle w10: c-787.4,4330.71 r108.27
  circle w10: c-492.13,4625.98 r196.85
  circle w10: c-492.13,885.83 r196.85
  lines w10: 2755.91,296.79 2755.91,0 0,0 0,246.86 cw(c393.7,1771.65) -1181.1,1771.65 -1181.1,3740.16 cw(c393.7,3740.16) 393.7,5314.96 787.4,5314.96 787.4,5511.81 1968.5,5511.81 1968.5,5314.96 2362.2,5314.96 cw(c2362.2,3740.16) 3937.01,3740.16 3937.01,1753.65 cw(c2363.67,1821.59) 2757.37,296.79 ; 98.43,1673.23 ccw(c295.28,1673.23) 295.28,1476.38 2460.63,1476.38 ccw(c2460.63,1673.23) 2657.48,1673.23 2657.48,3838.58 ccw(c2460.63,3838.58) 2460.63,4035.43 295.28,4035.43 ccw(c295.28,3838.58) 98.43,3838.58 98.43,1673.23